# KiCad board key-ripper.kicad_pcb (continued)
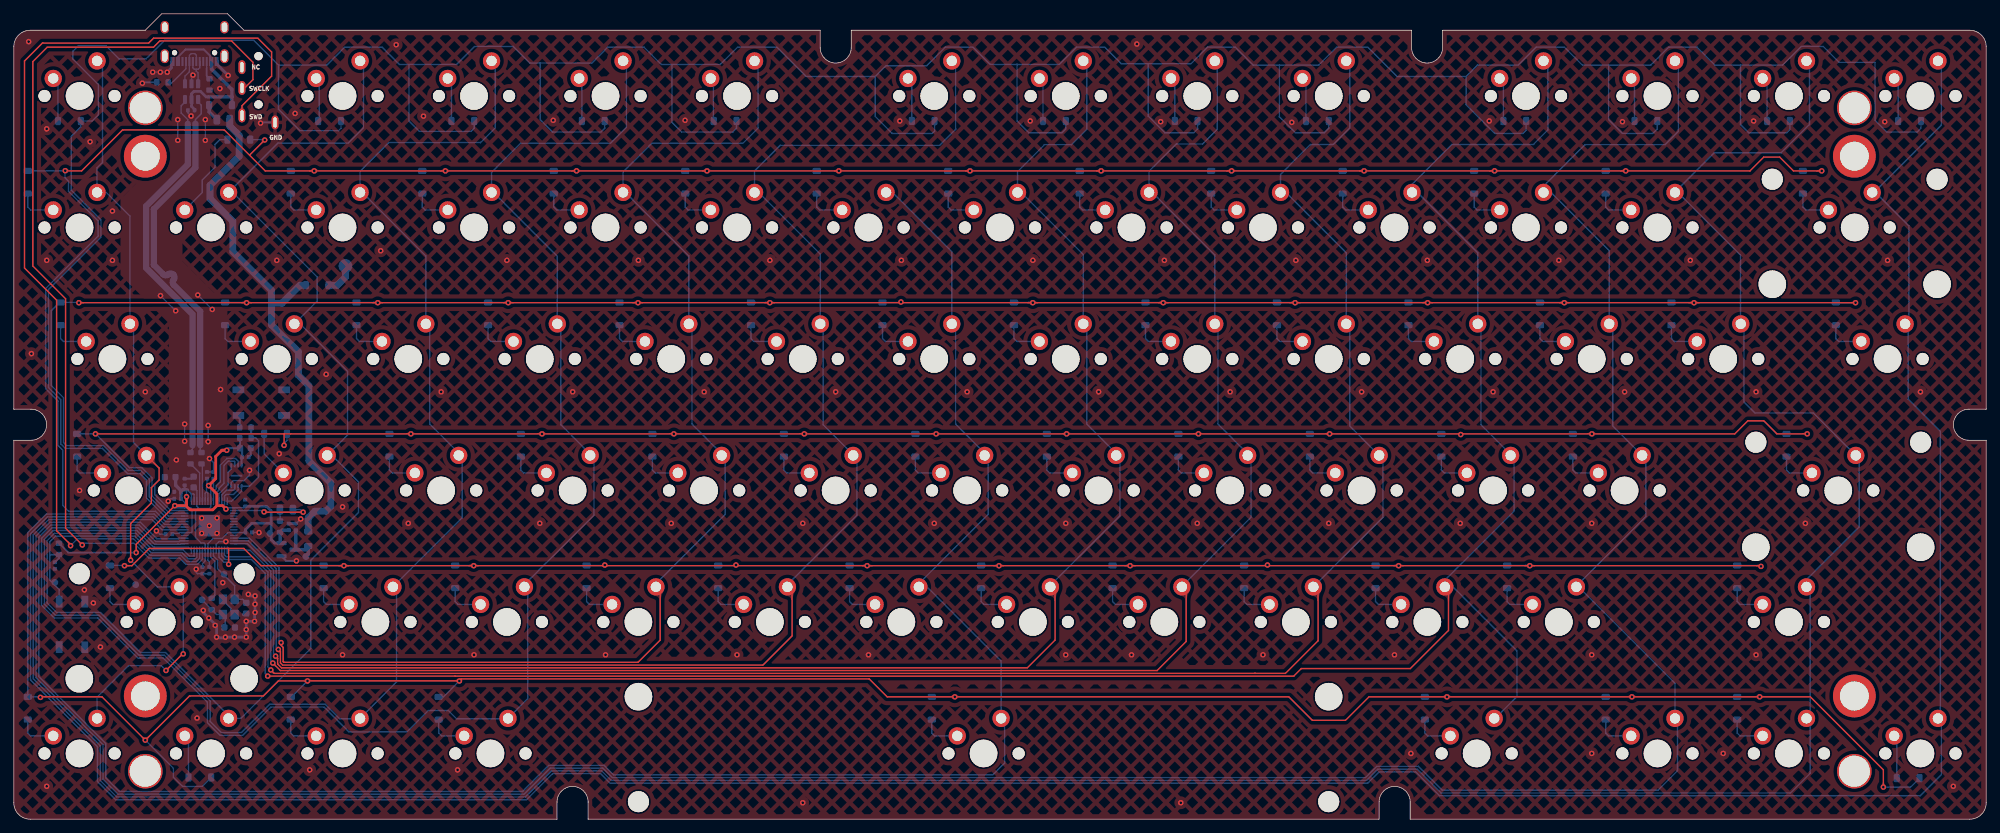
[diagram p0: board, top side]
## Nets (continued)
Net-(D42-A): D42.2 SW42.1
Net-(D43-A): D43.2 SW43.1
Net-(D44-A): D44.2 SW44.1
Net-(D45-A): D45.2 SW45.1
Net-(D46-A): D46.2 SW46.1
Net-(D47-A): D47.2 SW47.1
Net-(D48-A): D48.2 SW48.1
Net-(D49-A): D49.2 SW49.1
Net-(D50-A): D50.2 SW50.1
Net-(D51-A): D51.2 SW51.1
Net-(D52-A): D52.2 SW52.1
Net-(D53-A): D53.2 SW53.1
Net-(D54-A): D54.2 SW54.1
Net-(D55-A): D55.2 SW55.1
Net-(D56-A): D56.2 SW56.1
Net-(D57-A): D57.2 SW57.1
Net-(D58-A): D58.2 SW58.1
Net-(D59-A): D59.2 SW59.1
Net-(D60-A): D60.2 SW60.1
Net-(D61-A): D61.2 SW61.1
Net-(D62-A): D62.2 SW62.1
Net-(D63-A): D63.2 SW63.1
Net-(D64-A): D64.2 SW64.1
Net-(D65-A): D65.2 SW65.1
Net-(D66-A): D66.2 SW66.1
Net-(D67-A): D67.2 SW67.1
Net-(D68-A): D68.2 SW68.1
Net-(D69-A): D69.2 SW69.1
Net-(D70-A): D70.2 SW70.1
Net-(D71-A): D71.2 SW71.1
Net-(D72-A): D72.2 SW72.1
Net-(D73-A): D73.2 SW73.1
Net-(D74-A): D74.2 SW74.1
Net-(D75-A): D75.2 SW75.1
Net-(D76-K): D76.1 F1.1
Net-(D77-A): D77.2 R9.2
Net-(D78-A): D78.2 TP13.1
Net-(D78-K): D78.1 F1.2 FB1.1
Net-(U5-C): R5.2 U5.3 U5.4

Pads without a net: H5 1; H6 1; H7 1; H8 1; H9 1; H10 1; H11 1; H12 1; U1 3 4 5 6 7 8 9 11 32; U2 0 A8 B8; U4 9; U7 2

## Via types
v1: diameter 0.8, hole 0.4, Top to Bottom, 220 vias

## Routing (per net, layer and track width the routed paths; a pad name or vN(x,y) marks a point on that pad's centre or on a via; arc(x,y) is an arc through that point)
+1V1: length 19.2
  Bottom w0.2: C17.1 27.32,37.02 27.73,37.43 U1.23 27.73,39.82 27.52,40.02 27.12,40.02 26.32,40.82 26.32,44.72 26.72,45.12 ; 26.72,45.12 26.82,45.02 28.32,45.02 28.53,45.23 U1.50 28.53,47.64 28.92,48.04 28.92,48.52 28.93,48.52 28.93,49.34 ; 26.72,45.12 26.53,45.32 U1.45 26.53,47.6 C2.1
+3V3: length 101.6
  Top w0.2: v1(17.72,38.62) 17.72,39.82 v1(23.32,45.42)
  Top w0.4: 24.93,45.42 25.03,45.52 v1(25.03,46.72) ; 24.93,45.42 v1(23.32,45.42) ; 24.93,45.42 25.53,44.82 28.82,44.82 29.43,45.42 ; 29.43,45.42 29.43,47.12 v1(28.22,48.32) 29.25,49.35 29.25,52.55 30.15,53.45 v1(30.85,53.45) ; 29.43,45.42 30.24,45.42 v1(30.74,44.93)
  Bottom w0.2: v1(23.32,45.42) 23.62,45.13 U1.42 ; 33.55,41.53 U1.10 31.03,41.53 30.18,40.68 28.88,40.68 28.13,39.93 U1.22 28.13,37.52 28.32,37.32 C11.1 ; 28,49.34 28,48.55 v1(28.22,48.32) 27.93,48.02 27.93,47.42 ; U1.49 28.13,47.22 27.93,47.42 ; U1.48 27.73,47.23 27.93,47.42 ; 25.72,47.12 25.73,47.12 U1.43 ; 25.72,47.12 26.03,47.12 26.13,47.02 U1.44 ; 25.72,47.12 25.12,47.72 25.03,47.62 v1(25.03,46.72) ; v1(30.74,44.93) 30.93,45.13 U1.1 33.33,45.13 C13.1 ; 24.21,46.42 24.77,45.86 U1.42 ; U1.42 25.62,45.13 25.82,44.92 25.82,41.62 25.73,41.53 U1.33 24.03,41.53 23.93,41.42 23.08,41.42 C10.1
  Bottom w0.25: v1(17.72,38.62) 7.9,38.62 R8.2
  Bottom w0.3: U4.8 33,52.38 C3.1 33.07,53.45 C19.1 ; C8.1 24.75,47.97 24.5,47.72 ; v1(30.85,53.45) 31.15,53.75 C19.1 ; R4.1 32.78,55.2 C19.1
  Bottom w0.4: 37.28,42.88 37.28,40.52 37.8,40 U3.2 ; 37.28,42.88 34.47,42.88 33.56,41.96 C12.1 ; 37.28,42.88 37.28,44.67 36.62,45.32 C13.1
  Bottom w0.5: 24.21,47.42 24.5,47.72 25.12,47.72 ; C1.1 23.45,49.52 23.45,48.36 24.21,47.61 24.21,46.42 ; U3.2 38.58,40.21 R9.1 38.89,41.87 C5.1
+5V: length 7
  Bottom w0.5: TP2.1 42.66,38.39 FB1.2 42.66,39.21 42.5,39.05 U3.3 40.85,39.24 C4.1
GND: length 74.6
  Bottom w0.2: v1(23.75,98.35) v1(23.75,101.35) ; v1(41.56,43.5) 40.89,42.83 C4.2 ; v1(25.95,107.8) 25.75,107.6 U8.2 ; v1(28.15,54.7) v1(28.15,57.05) ; C14.2 C16.2 28.93,51.67 v1(28.35,52.25) ; 32.05,29.6 Y1.2 31.45,30.2 31.45,30.55 30.3,31.7 Y1.4 ; v1(20.66,41.77) 21.14,41.29 C10.2 ; v1(24.75,54.75) v1(24.75,57.25) ; v1(22.37,46.07) 22.72,46.42 C15.2 ; v1(21.25,75.85) v1(23.45,73.65) ; v1(22.22,108.22) v1(21.22,108.22) v1(20.12,108.22) ; v1(30.72,40.22) 29.73,40.22 29.32,39.82 U1.19 ; v1(34.15,50.55) 34.15,49.85 33.35,49.05 31.8,49.05 31.5,48.75 U4.4 ; v1(25.68,101.88) 25.22,102.34 C20.2 ; v1(35.53,41.52) 35.5,41.54 34.53,41.54 ; v1(27.75,98.35) v1(27.75,101.35) ; 28.32,35.56 26.58,35.56 26.43,35.72 v1(26.43,36.22) ; v1(26.65,75.95) v1(28.75,73.85)
  Bottom w0.25: v1(18.62,106.62) 18.75,106.75 R7.2 ; v1(35.75,100.85) 35.85,100.95 U7.5
  Bottom w0.3: C2.2 25.75,49.33 C8.2 ; v1(40.95,37.42) 39.46,37.42 U3.1 ; C19.2 34.33,52.74 C3.2
  Bottom w0.4: U2.A12 29.54,109.26 v1(31.05,107.75) ; 33.35,29.75 33.25,29.65 33.9,29.65 ; v1(27.45,30.25) 27.45,29.95 v1(28.25,29.15) 29.18,28.22 v1(29.18,28.07) 29.37,27.88 v1(29.37,26.38) 29.68,26.38 29.78,26.27 30.55,26.27 v1(30.65,26.38) v1(31.97,26.38) v1(33.67,26.38) v1(33.67,27.47) v1(33.67,28.67) v1(34.88,28.67) 34.88,29.88 v1(34.95,29.95) v1(34.95,31.15) v1(34.95,32.35) 34.2,32.35 v1(33.97,32.57) ; C5.2 C4.2 ; C6.2 33.53,29.65 ; v1(22.22,108.22) 22.84,108.84 U2.A1
  vias: v1(2.15,112.65) v1(2.55,67.45) v1(4.76,100.01) v1(4.76,80.96) v1(4.76,4.76) v1(9.52,47.62) v1(10.22,33.22) v1(11.05,98.15) v1(11.52,31.32) v1(12.55,24.95) v1(14.29,88.11) v1(14.29,80.96) v1(19.05,61.91) v1(23.55,52.05) v1(26.55,14.65) v1(27.22,43.62) v1(27.22,41.42) v1(28.32,42.52) v1(29.43,43.62) v1(29.43,41.42) v1(29.85,105.85) v1(29.95,62.25) v1(30.28,34.27) v1(38.1,80.96) v1(38.45,52.95) v1(40.75,102.25) v1(42.86,7.14) v1(45.25,64.45) v1(47.62,45.24) v1(47.62,23.81) v1(53.15,82.35) v1(55.4,112.2) v1(57.15,42.86) v1(59.35,101.85) v1(61.91,61.91) v1(64.29,7.14) v1(66.67,23.81) v1(71.44,80.96) v1(76.2,42.86) v1(78.15,101.25) v1(80.96,61.91) v1(85.73,23.81) v1(90.49,80.96) v1(95.25,42.86) v1(97.25,101.25) v1(100.01,61.91) v1(104.78,23.81) v1(109.54,80.96) v1(114.3,42.86) v1(114.3,2.38) v1(119.06,61.91) v1(123.83,23.81) v1(128.35,101.15) v1(128.59,80.96) v1(133.35,42.86) v1(138.11,61.91) v1(147.25,101.15) v1(147.64,80.96) v1(152.4,42.86) v1(152.4,23.81) v1(157.16,61.91) v1(161.92,23.81) v1(162.7,112.3) v1(166.15,101.05) v1(166.69,80.96) v1(169.07,2.38) v1(171.45,42.86) v1(176.21,61.91) v1(180.97,23.81) v1(185.15,100.95) v1(185.74,80.96) v1(190.5,42.86) v1(195.26,61.91) v1(200.02,23.81) v1(202.41,9.52) v1(204.79,80.96) v1(209.55,42.86) v1(213.75,101.15) v1(214.31,61.91) v1(223.84,80.96) v1(228.6,42.86) v1(228.6,23.81) v1(228.6,9.52) v1(233.05,101.05) v1(233.36,61.91) v1(242.89,80.96) v1(247.65,9.52) v1(252.05,101.15) v1(252.41,61.91) v1(252.41,23.81) v1(259.56,42.86) v1(271.05,101.05) v1(271.46,80.96) v1(276.22,61.91) v1(280.99,4.76)
VBUS: length 23.5
  Bottom w0.3: U2.A4 23.64,110.27 24.89,111.52 27.51,111.52 28.44,110.59 U2.B4
  Bottom w0.4: 28.15,104.65 27.85,104.65 27.05,105.45 26.1,105.45 25.75,105.1 U8.5 25.75,103.25 26.18,102.82 C20.1
  Bottom w0.5: 28.15,104.65 31.6,104.65 ; 31.6,104.65 31.6,105.72 28.64,108.67 28.64,109.77 ; 31.6,104.65 D76.2
CC1: length 4.5
  Bottom w0.2: 22.82,106.62 24.94,108.74 U2.A5
  Bottom w0.25: 22.82,106.62 22.5,106.62 22.37,106.75
CC2: length 2.7
  Bottom w0.2: U2.B5 27.94,108.87
  Bottom w0.25: R6.1 27.94,107.68 27.94,108.87
CLM0: length 128.5
  Top w0.2: SW42.2 21.05,50.86 21.05,49.15 19.93,48.02 19.93,45.82 16.93,42.82 v1(16.93,37.52) ; v1(22.05,21.55) 24.45,23.95 v1(24.55,23.95)
  Bottom w0.2: v1(22.05,21.55) 21.35,22.25 16.65,22.25 12.06,17.66 SW67.2 ; v1(24.55,23.95) 24.55,33.08 SW55.2 20.79,33.66 v1(16.93,37.52) ; U1.41 22.72,44.73 20.43,47.02 20.43,48.52 21.05,49.15 21.05,50.86 SW42.2 17.35,54.56 17.35,71.23 SW28.2 16.82,71.76 16.82,87.38 13.39,90.8 SW14.2 12.05,90.82 12.05,94.35 12.85,95.15 12.85,109.07 12.06,109.85
CLM1: length 199
  Bottom w0.2: 50.17,109.85 50.65,109.37 50.65,100.15 48.45,97.95 38.26,97.95 SW15.2 31.69,90.8 43.95,78.55 43.95,75.06 SW29.2 41.5,71.75 48.35,64.9 48.35,55.65 SW43.2 46.09,52.7 49.92,48.88 49.92,44.42 43.03,37.52 43.03,24.72 32.91,14.6 SW68.2 31.11,15.02 21.97,24.16 18.34,24.16 12.55,29.95 6.2,29.95 4.82,31.33 4.82,40.37 5.87,41.41 17.68,41.41 20.06,39.03 20.26,39.03 24.52,39.03 25.43,38.12 26.12,38.12 26.13,38.13 U1.27
CLM2: length 214.4
  Bottom w0.2: 18.15,23.75 18.16,23.76 21.81,23.76 28.45,17.12 28.45,14.15 30.05,12.55 32.98,12.55 37.08,16.65 45.12,16.65 47.22,14.55 50.11,14.55 SW69.2 55.45,19.89 55.45,33.13 SW56.2 64.95,43.68 64.95,52.21 SW44.2 64.45,53.05 60.25,57.25 60.25,71.19 SW30.2 59.69,81.61 50.5,90.8 SW16.2 50.17,93.86 54.33,98.02 67.62,98.02 69.75,100.15 69.75,109.32 69.22,109.85 ; 18.13,23.76 12.34,29.55 6.04,29.55 4.42,31.16 4.42,40.53 5.7,41.81 17.84,41.81 19.76,39.89 20.23,39.43 20.43,39.43 20.43,39.43 25.27,39.43 U1.28
CLM3: length 237.2
  Bottom w0.2: U1.29 24.26,39.92 24.16,39.83 23.83,39.83 23.72,39.83 20.59,39.82 20.39,39.83 18.01,42.21 5.54,42.21 4.02,40.7 4.02,31 5.87,29.15 12.18,29.15 17.98,23.35 18.32,23.35 18.32,23.36 21.64,23.36 28.05,16.95 28.05,13.98 29.88,12.15 33.15,12.15 37.25,16.25 44.95,16.25 48.55,12.65 56.95,12.65 60.05,15.75 62.95,15.75 64.15,14.55 71.54,14.55 SW70.2 74.45,17.46 74.45,33.18 SW57.2 73.98,33.98 84.05,44.05 84.05,52.16 SW45.2 83.5,52.9 79.25,57.15 79.25,71.25 SW31.2 78.74,81.56 69.5,90.8 SW17.2 69.22,93.72 73.42,97.92 86.42,97.92 88.75,100.25 88.75,109.37 88.27,109.85
CLM4: length 188.9
  Top w0.2: v1(38.72,25.59) 38.72,25.18 39.02,24.88 39.02,22.83 39.12,22.73 90.43,22.73 93.65,25.95 93.65,33.03 SW58.2
  Bottom w0.2: 107.31,109.85 107.82,109.35 107.82,100.12 105.62,97.92 92.42,97.92 88.27,93.76 SW18.2 88.59,90.8 97.79,81.61 SW32.2 98.25,71.29 98.25,57.25 102.55,52.95 SW46.2 103.05,52.21 103.05,44.15 93.03,34.13 SW58.2 ; U1.12 34.15,40.73 38.42,36.45 38.42,36.05 38.42,36.05 38.42,35.72 38.42,35.72 38.42,25.88 v1(38.72,25.59)
CLM5: length 217.8
  Top w0.2: SW59.2 112.75,32.98 112.75,26.55 108.53,22.33 38.95,22.33 38.62,22.66 38.62,24.29 v1(38.32,24.59)
  Bottom w0.2: 135.89,109.85 136.45,109.29 136.45,99.95 134.12,97.62 111.02,97.62 107.31,93.91 107.31,90.8 107.89,90.8 116.84,81.86 SW33.2 117.25,71.34 117.25,57.15 121.6,52.8 SW47.2 122.15,52.16 122.15,44.05 112.08,33.98 SW59.2 ; v1(38.32,24.59) 38.02,24.89 38.02,35.89 38.02,35.99 38.02,36.29 33.98,40.32 U1.13
CLM6: length 295
  Bottom w0.2: U1.30 24.09,40.32 23.99,40.23 20.56,40.23 18.17,42.61 5.37,42.61 3.62,40.86 3.62,20.67 13.32,10.97 13.32,5.98 15.28,4.02 73.72,4.02 77.5,7.8 85.5,7.8 86.88,6.42 141.82,6.42 143.55,8.15 143.55,14.09 SW71.2 143.03,22.92 132.29,33.66 SW60.2 131.13,34.13 141.15,44.15 141.15,52.21 SW48.2 140.65,53.03 136.45,57.23 136.45,71.19 SW34.2 135.89,82.21 127.3,90.8 SW20.2
CLM7: length 237.2
  Top w0.2: SW61.2 150.85,32.98 150.85,25.95 146.83,21.93 38.78,21.93 38.22,22.49 38.22,23.32 v1(37.92,23.62)
  Bottom w0.2: U1.14 33.82,39.92 37.62,36.12 37.62,35.72 37.62,35.72 37.62,23.92 v1(37.92,23.62) ; 154.94,109.85 155.45,109.34 155.45,99.95 153.22,97.72 149.32,97.72 145.41,93.81 SW21.2 145.94,90.8 154.94,81.81 SW35.2 155.45,71.25 155.45,57.25 159.7,53 SW49.2 160.25,52.16 160.25,43.95 150.18,33.88 SW61.2
CLM8: length 256.9
  Top w0.2: v1(37.52,22.62) 38.62,21.53 165.63,21.53 169.85,25.75 169.85,33.03 SW62.2
  Bottom w0.2: SW62.2 169.23,33.73 179.25,43.75 179.25,52.21 SW50.2 178.75,52.95 174.45,57.25 174.45,71.29 SW36.2 173.99,81.76 164.94,90.8 SW22.2 164.46,93.86 168.42,97.82 172.22,97.82 174.35,99.95 174.35,109.49 173.99,109.85 ; U1.15 34.21,38.97 37.22,35.96 37.22,35.42 37.22,35.42 37.22,22.92 v1(37.52,22.62)
CLM9: length 277.6
  Top w0.2: v1(37.22,21.62) 37.72,21.13 179.82,21.13 179.82,21.12 184.22,21.12 188.95,25.85 188.95,32.98 SW63.2
  Bottom w0.2: U1.16 30.53,38.29 30.79,38.02 34.59,38.02 36.82,35.79 36.82,35.39 36.82,22.03 v1(37.22,21.62) ; SW63.2 198.35,43.73 198.35,52.16 SW51.2 197.79,52.7 193.55,56.95 193.55,71.25 SW37.2 193.04,82.06 184.29,90.8 SW23.2 183.51,93.41 187.85,97.75 191.15,97.75 193.55,100.15 193.55,109.34 193.04,109.85
CLM10: length 331.3
  Top w0.2: SW64.2 207.85,33.13 207.85,27.35 202.32,21.82 186.52,21.82 185.42,20.72 63.92,20.72 63.92,20.73 v1(36.78,20.73)
  Bottom w0.2: SW72.2 214.6,14.6 217.77,17.77 217.77,24.38 208.49,33.66 SW64.2 207.33,34.63 217.35,44.65 217.35,52.21 SW52.2 216.85,52.85 212.55,57.15 212.55,71.29 SW38.2 212.09,82.06 203.34,90.8 202.56,90.8 202.56,91.97 208.35,97.75 220.15,97.75 222.25,99.85 222.25,109.22 221.61,109.85 ; U1.17 30.13,38.13 30.63,37.62 34.42,37.62 36.42,35.62 36.42,21.08 v1(36.78,20.73)
CLM11: length 432.2
  Bottom w0.2: U1.31 23.93,40.73 23.83,40.62 20.72,40.62 18.34,43.01 5.21,43.01 3.22,41.03 3.22,20.51 12.92,10.81 12.92,5.78 15.08,3.62 73.92,3.62 77.7,7.4 85.33,7.4 86.71,6.03 195.83,6.03 197.45,7.65 203.5,7.65 206.95,4.2 238.2,4.2 241.02,7.02 241.02,14.24 240.66,14.6 240.66,19.68 226.69,33.66 SW65.2 226.38,33.78 236.45,43.85 236.45,52.16 SW53.2 231.65,56.96 231.65,71.25 SW39.2 231.14,82.36 222.69,90.8 SW25.2 221.61,91.72 227.62,97.72 239.22,97.72 241.15,99.65 241.15,109.37 240.66,109.85
CLM12: length 454.5
  Bottom w0.2: 2.82,20.95 2.82,41.19 5.04,43.41 20.01,43.41 21.5,41.92 U1.34 ; 259.71,109.85 260.15,109.42 260.15,100.65 256.05,96.55 246.35,96.55 240.66,90.86 240.66,90.8 241.08,90.8 250.15,81.73 250.15,71.79 SW40.2 250.65,71.29 250.65,60.45 252.25,58.85 260.71,58.85 SW54.2 267.35,52.21 267.35,42.35 259.71,34.71 259.71,33.66 259.89,33.66 260.25,33.3 260.25,15.14 259.71,14.6 260.25,14.07 260.25,6.65 257.4,3.8 206.79,3.8 203.34,7.25 197.62,7.25 195.99,5.63 86.54,5.63 85.17,7 77.9,7 74.12,3.22 14.91,3.22 12.52,5.61 12.52,10.64 2.82,20.34 2.82,20.89
CLM13: length 450.7
  Bottom w0.2: U1.35 21.67,42.32 20.18,43.81 4.88,43.81 2.42,41.36 2.42,20.18 12.12,10.48 12.12,5.45 14.75,2.82 74.29,2.82 78.07,6.6 85,6.6 86.38,5.22 196.16,5.22 197.78,6.85 203.1,6.85 206.55,3.4 276.2,3.4 279.25,6.45 279.25,14.12 SW75.2 279.1,14.94 279.1,56.2 274.45,60.85 274.45,71.31 SW41.2 274.55,72.3 274.55,85.95 269.69,90.8 SW27.2 269.5,90.8 279.25,100.55 279.25,109.37 278.76,109.85
OSC_IN: length 5.6
  Bottom w0.2: TP3.1 28.68,30.38 R3.1 29.37,29.65 Y1.3 30.63,29.32 30.63,28.08
OSC_OUT: length 10.3
  Bottom w0.2: C6.1 33.17,31.85 Y1.1 32,33.82 29.52,36.3 29.52,37.53 28.92,38.13 U1.20
QSPI_SCLK: length 8
  Bottom w0.2: U4.6 32,51.81 31.94,51.87 31.06,51.87 30.45,51.26 30.45,48.65 29.72,47.92 29.72,47.7 29.32,47.31 U1.52
QSPI_SD0: length 5.9
  Bottom w0.2: U1.53 29.73,47.14 31.05,48.47 31.05,50.25 31.5,50.7 U4.5
QSPI_SD1: length 3.6
  Bottom w0.2: U4.2 32.5,47.7 31.85,47.05 30.76,47.05 30.53,46.81 U1.55
QSPI_SD2: length 3.6
  Bottom w0.2: U1.54 30.13,46.98 30.8,47.66 31.84,47.66 32,47.81 U4.3
QSPI_SD3: length 9.4
  Bottom w0.2: U4.7 32.5,51.87 32.11,52.27 30.9,52.27 29.91,51.28 29.91,48.88 29.32,48.29 29.32,47.87 28.92,47.47 U1.51
QSPI_SS: length 14.4
  Bottom w0.2: 34.38,55.25 35.05,55.25 35.45,54.85 35.45,49.56 34.14,48.25 U4.1 33,47.53 31.55,46.08 U1.56
  Bottom w0.3: 34.38,56.75 34.38,55.25
ROW0: length 594.2
  Bottom w0.2: 38.35,109.25 45.35,109.25 47.95,111.85 53.35,111.85 55.85,109.35 57.25,109.35 ; 38.35,109.25 38.35,102.85 41.45,99.75 47.05,99.75 47.4,100.1 D2.1 ; 38.35,109.25 34.75,112.85 21.85,112.85 19.15,110.15 15.25,110.15 13.35,112.05 9.35,112.05 8.55,111.25 8.55,110.15 12.25,106.45 12.25,102.05 11.35,101.15 D1.1 9.7,100.3 8.32,98.92 8.32,91.12 10.92,88.52 10.93,88.52 12.62,86.82 12.62,84.32 5.03,76.73 5.03,62.53 6.8,60.75 6.8,54.37 6.82,54.37 7.46,53.72 12.82,53.72 16.47,50.07 18.27,50.07 19.23,49.12 19.23,46.53 22.23,43.53 U1.38 ; 145.35,109.35 145.35,101.15 147.05,99.45 151.85,99.45 152.4,100 D7.1 ; 145.35,109.35 141.45,109.35 138.95,111.85 134.95,111.85 132.25,109.15 126.35,109.15 124.8,107.6 ; 145.35,109.35 151.45,109.35 153.95,111.85 158.05,111.85 160.45,109.45 164.35,109.45 ; 76.25,109.55 76.25,101.35 78.05,99.55 85.05,99.55 85.6,100.1 D4.1 ; 76.25,109.55 74.75,109.55 72.35,111.95 66.75,111.95 64.15,109.35 57.25,109.35 ; 76.25,109.55 83.75,109.55 86.05,111.85 91.3,111.85 93.8,109.35 95.35,109.35 ; 164.35,109.45 164.35,101.85 166.75,99.45 170.95,99.45 171.5,100 D8.1 ; 164.35,109.45 170.55,109.45 172.95,111.85 176.95,111.85 179.55,109.25 183.35,109.25 ; D10.1 219.1,99.8 218.65,99.35 214.56,99.35 210.4,103.51 210.4,107.6 ; 124.8,107.6 124.8,101.8 127.25,99.35 133.05,99.35 133.4,99.7 D6.1 ; 124.8,107.6 114.8,107.6 110.55,111.85 104.85,111.85 102.35,109.35 95.35,109.35 ; 231.05,109.25 231.05,101.35 233.05,99.35 237.45,99.35 238.1,100 D11.1 ; 231.05,109.25 237.15,109.25 239.75,111.85 243.85,111.85 246.45,109.25 250.15,109.25 ; 231.05,109.25 227.25,109.25 224.65,111.85 220.55,111.85 217.95,109.25 212.05,109.25 210.4,107.6 ; D3.1 66.7,100.1 66.25,99.65 58.75,99.65 57.25,101.15 57.25,109.35 ; 250.15,109.25 250.15,100.65 251.35,99.45 256.85,99.45 257.3,99.9 D12.1 ; 250.15,109.25 256.25,109.25 258.95,111.95 262.15,111.95 264.45,109.65 269.65,109.65 269.65,101.25 271.35,99.55 275.75,99.55 276.3,100.1 D13.1 ; 210.4,107.6 200.4,107.6 196.15,111.85 191.65,111.85 189.05,109.25 183.35,109.25 ; D5.1 104.7,100.1 104.15,99.55 96.75,99.55 95.35,100.95 95.35,109.35 ; 183.35,109.25 183.35,101.76 185.66,99.45 189.85,99.45 190.5,100.1 D9.1
ROW1: length 382.3
  Top w0.2: v1(261.93,93.92) 257.82,93.92 255.82,95.92 253.52,95.92 251.52,93.92 v1(233.52,93.92) v1(214.52,93.92) v1(195.62,93.92) v1(176.42,93.92) v1(157.52,93.92) v1(138.52,93.92) v1(119.52,93.92) v1(100.42,93.92) v1(81.53,93.92) v1(62.53,93.92) v1(43.53,93.92) 36.42,93.92 34.17,96.17 ; 34.17,96.17 30.5,99.85 15.75,99.85 9.82,93.92 7.47,93.92 v1(7.45,93.95) ; 34.17,96.17 34.17,96.22 v1(36.35,98.4)
  Bottom w0.2: 211.57,93.92 v1(214.52,93.92) ; 59.17,93.92 v1(62.53,93.92) ; 7.43,93.92 7.43,92.92 7.93,92.42 7.93,90.96 12.23,86.66 12.23,84.49 4.63,76.89 4.63,62.36 6.4,60.59 6.4,54.15 7.1,53.45 7.1,45.45 7.94,44.61 20.51,44.61 21.99,43.13 U1.37 ; 7.43,93.92 2.02,93.92 ; 7.43,93.92 v1(7.45,93.95) ; 192.52,93.92 v1(195.62,93.92) ; 78.23,93.92 v1(81.53,93.92) ; v1(100.42,93.92) 97.28,93.92 ; 135.38,93.92 v1(138.52,93.92) ; v1(233.52,93.92) 230.62,93.92 ; v1(36.35,98.4) 36.3,98.45 D15.1 ; v1(261.93,93.92) 259.2,93.92 ; v1(43.53,93.92) 40.12,93.92 ; 154.42,93.92 v1(157.52,93.92) ; 116.33,93.92 v1(119.52,93.92) ; 173.47,93.92 v1(176.42,93.92)
ROW2: length 343.1
  Top w0.2: v1(9.43,74.82) v1(33.72,74.82) v1(52.73,74.82) v1(71.62,74.82) v1(90.42,74.82) v1(109.52,74.82) v1(147.62,74.82) v1(166.52,74.82) v1(185.62,74.82) v1(204.82,74.82) v1(224.62,74.82) v1(243.43,74.82) v1(266.82,74.82)
  Bottom w0.2: v1(9.43,74.82) 9.38,74.88 D28.1 6.64,74.88 5.43,73.66 5.43,62.82 7.2,61.05 7.2,54.55 7.62,54.12 12.99,54.12 16.59,50.52 18.39,50.52 19.63,49.29 19.63,46.69 22.4,43.92 U1.39 ; v1(90.42,74.82) 90.38,74.88 D32.1 ; D41.1 264.01,74.82 v1(266.82,74.82) ; D30.1 52.67,74.88 v1(52.73,74.82) ; v1(224.62,74.82) 224.57,74.88 D39.1 ; D36.1 166.47,74.88 v1(166.52,74.82) ; v1(243.43,74.82) 243.38,74.88 D40.1 ; v1(71.62,74.82) 71.58,74.88 D31.1 ; v1(185.62,74.82) 185.57,74.88 D37.1 ; v1(33.72,74.82) 33.67,74.88 D29.1 ; v1(128.52,74.92) 128.47,74.88 D34.1 ; D35.1 147.57,74.88 v1(147.62,74.82) ; v1(109.52,74.82) 109.48,74.88 D33.1 ; D38.1 204.77,74.88 v1(204.82,74.82)
ROW3: length 307.5
  Top w0.2: v1(11.82,55.82) 39.17,55.82 ; 39.17,55.82 v1(57.53,55.82) v1(76.53,55.82) v1(95.62,55.82) v1(114.52,55.82) v1(133.62,55.82) v1(152.52,55.82) v1(171.62,55.82) v1(190.62,55.82) v1(228.62,55.82) 249.32,55.82 251.22,57.72 253.52,57.72 255.43,55.82 v1(259.82,55.82) ; 39.17,55.82 39.16,55.81 v1(39.16,54.16)
  Bottom w0.2: v1(259.82,55.82) D54.1 ; v1(39.16,54.16) 39.16,54.46 39.58,54.88 D43.1 ; D50.1 v1(171.62,55.82) ; D52.1 209.52,55.82 v1(209.62,55.72) ; D42.1 v1(11.82,55.82) 11.85,55.82 16.76,50.92 18.56,50.92 20.03,49.45 20.03,46.86 22.56,44.32 U1.40 ; D45.1 v1(76.53,55.82) ; D48.1 v1(133.62,55.82) ; D49.1 v1(152.52,55.82) ; D53.1 v1(228.62,55.82) ; D47.1 v1(114.52,55.82) ; D51.1 v1(190.62,55.82) ; D46.1 v1(95.62,55.82) ; D44.1 v1(57.53,55.82)
ROW4: length 278.7
  Top w0.2: 31.12,39.22 19.61,39.22 17.11,36.72 v1(16.03,36.72) ; 31.12,39.22 v1(31.12,36.93) ; 31.12,39.22 33.33,39.22 35.83,36.72 v1(47.83,36.72) v1(66.62,36.72) v1(123.63,36.72) v1(142.72,36.72) v1(161.72,36.72) v1(200.62,36.72) v1(219.62,36.72) 253.02,36.72 v1(253.12,36.62)
  Bottom w0.2: v1(66.62,36.72) 66.58,36.77 63.94,36.77 ; 102.04,36.77 104.58,36.77 v1(104.62,36.82) ; 140.14,36.77 142.67,36.77 v1(142.72,36.72) ; v1(181.62,36.82) 181.57,36.77 178.24,36.77 ; 121.09,36.77 123.58,36.77 v1(123.63,36.72) ; v1(31.12,36.93) 30.83,37.22 30.43,37.22 29.73,37.92 U1.18 ; v1(253.12,36.62) 252.97,36.77 249.68,36.77 ; 44.89,36.77 47.78,36.77 v1(47.83,36.72) ; 216.34,36.77 219.57,36.77 v1(219.62,36.72) ; 159.19,36.77 161.67,36.77 v1(161.72,36.72) ; 13.93,36.77 15.97,36.77 v1(16.03,36.72) ; 197.29,36.77 200.57,36.77 v1(200.62,36.72) ; 82.99,36.77 85.58,36.77 v1(85.62,36.82)
ROW5: length 374.5
  Top w0.2: v1(3.85,17.65) 3.93,17.72 12.77,17.72 v1(19.05,11.45) 25.45,17.85 36.15,17.85 38.33,20.03 v1(42.55,20.03) 42.57,20.05 64.53,20.05 v1(64.55,20.03) 64.85,20.32 123.92,20.32 126.52,17.72 v1(136.32,17.72) 184.72,17.72 188.12,14.32 192.93,14.32 196.33,17.72 v1(207.62,17.72) v1(234.42,17.72) v1(252.93,17.72) 260.27,17.72 270.85,7.15 v1(270.85,4.65)
  Bottom w0.2: D71.1 v1(136.32,17.72) ; v1(42.55,20.03) 40.24,17.72 D69.1 ; U1.36 21.83,42.73 20.34,44.21 4.71,44.21 2.02,41.52 D67.1 3.77,17.72 v1(3.85,17.65) ; v1(270.85,4.65) 274.8,4.65 D75.1 ; D70.1 62.25,17.72 v1(64.55,20.03) ; D72.1 v1(207.62,17.72) ; D73.1 v1(234.42,17.72) ; D74.1 v1(252.93,17.72) ; D68.1 27.3,4.75 24.45,4.75 23.11,6.09 23.11,7.39 v1(19.05,11.45)
RUN: length 36
  Bottom w0.2: U1.26 26.53,37.96 26.29,37.73 25.26,37.73 24.36,38.63 20.1,38.63 20.1,38.63 19.9,38.63 17.51,41.01 6.03,41.01 5.22,40.2 5.22,34.63 6.57,33.28 U6.4
  Bottom w0.25: C18.1 6.55,37.83 R8.1 5.27,38.32 5.26,38.32 5.25,38.32
SWCLK: length 132.4
  Top w0.2: U7.3 33.45,105.95 34.65,107.15 34.65,109.65 31.55,112.75 21.15,112.75 20.24,111.84 4.84,111.84 2.75,109.75 2.75,80.15 7.5,75.4 7.5,42.15 v1(9.93,39.72)
  Bottom w0.2: v1(9.93,39.72) 10.17,39.97 17.43,39.97 19.57,37.83 24.03,37.83 24.72,37.13 24.72,37.12 24.93,36.92 26.62,36.92 27.32,37.63 U1.24
SWD: length 143.8
  Top w0.2: U7.4 33.05,103.35 37.35,107.65 37.35,111.15 35.35,113.15 20.25,113.15 19.55,112.45 4.15,112.45 1.55,109.85 1.55,79.85 6.2,75.2 6.2,41.8 8.22,39.77 v1(8.22,39.62)
  Bottom w0.2: U1.25 26.92,37.8 26.46,37.33 25.09,37.33 24.19,38.23 19.93,38.23 19.93,38.23 19.73,38.23 17.35,40.61 9.21,40.61 v1(8.22,39.62)
USB+: length 63
  Bottom w0.2: R1.2 27.2,53.35 27,53.55 27,54.17 ; 26.43,108.66 26.73,108.66 26.94,108.87 U2.B6 ; 26.43,108.66 26.16,108.66 25.94,108.87 U2.A6 ; 26.43,108.66 26.43,108.38 26.7,108.1 26.7,106.94 ; U8.4 26.7,103.9 27.15,103.45 27.15,102.19 26.31,101.35 26.31,100.76
  Bottom w0.9: 27,54.17 27,73.59 23.14,77.44 arc(23,77.8) 23.14,78.15 arc(23.29,78.5) 23.14,78.86 23.07,78.93 arc(22.72,79.08) 22.37,78.93 arc(22.01,78.78) 21.66,78.93 20.28,80.31 20.28,88.38 26.31,94.41 26.31,100.76
USB-: length 63.3
  Bottom w0.2: 24.8,106.94 24.8,107.65 25.44,108.29 U2.B7 25.44,110.67 25.69,110.92 26.21,110.92 26.44,110.69 U2.A7 ; R2.2 25.6,53.35 25.9,53.65 25.9,54.17 ; 25.21,100.76 25.21,101.34 24.25,102.3 24.25,103.35 24.8,103.9 U8.6
  Bottom w0.9: 25.21,100.76 25.21,94.86 19.18,88.84 19.18,79.85 25.9,73.13 25.9,54.17
USB_MCU+: length 5.5
  Bottom w0.2: R1.1 27.33,51.35 27.33,46.02
USB_MCU-: length 5.9
  Bottom w0.2: R2.1 26.92,50.15 U1.46
USER_LED: length 11.8
  Top w0.2: v1(41.92,44.48) 36.3,44.48 v1(36.25,44.53)
  Bottom w0.2: U1.2 36.05,44.73 v1(36.25,44.53) ; v1(41.92,44.48) 41.55,44.85 D77.1
XOUT_MCU: length 7.3
  Bottom w0.2: 28.53,38.82 28.53,37.96 29.12,37.36 29.12,32.45 R3.2
Net-(D1-A): length 6.4
  Bottom w0.2: D1.2 6.4,106.63
  Bottom w0.25: 6.4,106.63 SW1.1
Net-(D2-A): length 6.4
  Bottom w0.2: D2.2 44.25,101.3 44.25,106.88 SW2.1
Net-(D3-A): length 6.4
  Bottom w0.2: 62.87,107.31 63.4,106.78 D3.2
Net-(D4-A): length 6.3
  Bottom w0.2: SW4.1 82.3,106.93 D4.2
Net-(D5-A): length 6.3
  Bottom w0.2: D5.2 101.35,101.2 101.35,106.93 SW5.1
Net-(D6-A): length 6.4
  Bottom w0.2: SW6.1 130.1,106.75 D6.2
Net-(D7-A): length 6.4
  Bottom w0.2: D7.2 149.1,106.8 SW7.1
Net-(D8-A): length 6.4
  Bottom w0.2: D8.2 168.2,106.75 SW8.1
Net-(D9-A): length 6.4
  Bottom w0.2: D9.2 187.2,106.8 SW9.1
Net-(D10-A): length 6.4
  Bottom w0.2: SW10.1 215.8,106.78 D10.2
Net-(D11-A): length 6.4
  Bottom w0.2: SW11.1 234.8,106.83 D11.2
Net-(D12-A): length 6.4
  Bottom w0.2: SW12.1 254,106.68 D12.2
Net-(D13-A): length 6.4
  Bottom w0.2: SW13.1 273,106.73 D13.2
Net-(D14-A): length 5.8
  Bottom w0.2: D14.2 2.02,88.68 2.44,88.26 SW14.1
Net-(D15-A): length 13.4
  Bottom w0.2: D15.2 29.85,98.45 29.15,97.75 29.15,94.45 27.3,92.6 27.3,90.8 SW15.1
Net-(D16-A): length 5.8
  Bottom w0.2: SW16.1 40.54,88.26 40.12,88.68 D16.2
Net-(D17-A): length 5.8
  Bottom w0.2: D17.2 59.17,88.68 59.59,88.26 62.87,88.26
Net-(D18-A): length 5.8
  Bottom w0.2: SW18.1 78.64,88.26 78.23,88.68 D18.2
Net-(D19-A): length 5.8
  Bottom w0.2: D19.2 97.28,88.68 97.69,88.26 SW19.1
Net-(D20-A): length 5.8
  Bottom w0.2: D20.2 116.33,88.68 116.74,88.26 SW20.1
Net-(D21-A): length 5.8
  Bottom w0.2: SW21.1 135.79,88.26 135.38,88.68 D21.2
Net-(D22-A): length 5.8
  Bottom w0.2: SW22.1 154.84,88.26 154.42,88.68 D22.2
Net-(D23-A): length 5.8
  Bottom w0.2: D23.2 173.47,88.68 173.89,88.26 SW23.1
Net-(D24-A): length 5.8
  Bottom w0.2: SW24.1 192.94,88.26 192.52,88.68 D24.2
Net-(D25-A): length 5.8
  Bottom w0.2: SW25.1 211.99,88.26 211.57,88.68 D25.2
Net-(D26-A): length 5.8
  Bottom w0.2: D26.2 230.62,88.68 231.04,88.26 SW26.1
Net-(D27-A): length 5.8
  Bottom w0.2: SW27.1 259.62,88.26 259.2,88.68 D27.2
Net-(D28-A): length 5.8
  Bottom w0.2: D28.2 6.79,69.63 7.2,69.21 10.48,69.21
Net-(D29-A): length 5.8
  Bottom w0.2: 34.29,69.21 31.01,69.21 30.6,69.63 D29.2
Net-(D30-A): length 5.8
  Bottom w0.2: 53.34,69.21 50.06,69.21 49.65,69.63 D30.2
Net-(D31-A): length 5.8
  Bottom w0.2: D31.2 68.7,69.63 69.12,69.21 72.39,69.21
Net-(D32-A): length 5.8
  Bottom w0.2: 91.44,69.21 88.17,69.21 87.75,69.63 D32.2
Net-(D33-A): length 5.8
  Bottom w0.2: D33.2 106.8,69.63 107.22,69.21 110.49,69.21
Net-(D34-A): length 5.8
  Bottom w0.2: D34.2 125.85,69.63 126.27,69.21 129.54,69.21
Net-(D35-A): length 5.8
  Bottom w0.2: 148.59,69.21 145.31,69.21 144.9,69.63 D35.2
Net-(D36-A): length 5.8
  Bottom w0.2: D36.2 163.95,69.63 164.36,69.21 167.64,69.21
Net-(D37-A): length 5.8
  Bottom w0.2: D37.2 183,69.63 183.41,69.21 186.69,69.21
Net-(D38-A): length 5.8
  Bottom w0.2: D38.2 202.05,69.63 202.46,69.21 205.74,69.21
Net-(D39-A): length 5.8
  Bottom w0.2: 224.79,69.21 221.51,69.21 221.1,69.63 D39.2
Net-(D40-A): length 5.8
  Bottom w0.2: 243.84,69.21 240.56,69.21 240.15,69.63 D40.2
Net-(D41-A): length 5.8
  Bottom w0.2: 267.65,69.21 264.38,69.21 263.96,69.63 D41.2
Net-(D42-A): length 5.8
  Bottom w0.2: SW42.1 9.58,50.16 9.17,50.58 D42.2
Net-(D43-A): length 6.8
  Bottom w0.2: SW43.1 39.03,50.16 36.28,52.92 D43.2
Net-(D44-A): length 5.8
  Bottom w0.2: SW44.1 54.83,50.16 54.41,50.58 D44.2
Net-(D45-A): length 5.8
  Bottom w0.2: SW45.1 73.88,50.16 73.46,50.58 D45.2
Net-(D46-A): length 5.8
  Bottom w0.2: SW46.1 92.93,50.16 92.51,50.58 D46.2
Net-(D47-A): length 5.8
  Bottom w0.2: SW47.1 111.98,50.16 111.56,50.58 D47.2
Net-(D48-A): length 5.8
  Bottom w0.2: D48.2 130.61,50.58 131.03,50.16 SW48.1
Net-(D49-A): length 5.8
  Bottom w0.2: SW49.1 150.08,50.16 149.66,50.58 D49.2
Net-(D50-A): length 5.8
  Bottom w0.2: D50.2 168.71,50.58 169.13,50.16 SW50.1
Net-(D51-A): length 5.8
  Bottom w0.2: D51.2 187.76,50.58 188.18,50.16 SW51.1
Net-(D52-A): length 5.8
  Bottom w0.2: D52.2 206.81,50.58 207.23,50.16 SW52.1
Net-(D53-A): length 5.8
  Bottom w0.2: SW53.1 226.28,50.16 225.86,50.58 D53.2
Net-(D54-A): length 5.8
  Bottom w0.2: D54.2 256.82,50.58 257.23,50.16 SW54.1
Net-(D55-A): length 5.8
  Bottom w0.2: D55.2 13.93,31.53 14.35,31.11 SW55.1
Net-(D56-A): length 5.8
  Bottom w0.2: SW56.1 45.3,31.11 44.89,31.53 D56.2
Net-(D57-A): length 5.8
  Bottom w0.2: D57.2 63.94,31.53 64.35,31.11 SW57.1
Net-(D58-A): length 5.8
  Bottom w0.2: D58.2 82.99,31.53 83.4,31.11 SW58.1
Net-(D59-A): length 5.8
  Bottom w0.2: SW59.1 102.45,31.11 102.04,31.53 D59.2
Net-(D60-A): length 5.8
  Bottom w0.2: SW60.1 121.5,31.11 121.09,31.53 D60.2
Net-(D61-A): length 5.8
  Bottom w0.2: D61.2 140.14,31.53 140.55,31.11 SW61.1
Net-(D62-A): length 5.8
  Bottom w0.2: D62.2 159.19,31.53 159.6,31.11 SW62.1
Net-(D63-A): length 5.8
  Bottom w0.2: D63.2 178.24,31.53 178.65,31.11 SW63.1
Net-(D64-A): length 5.8
  Bottom w0.2: SW64.1 197.7,31.11 197.29,31.53 D64.2
Net-(D65-A): length 5.8
  Bottom w0.2: D65.2 216.34,31.53 216.75,31.11 SW65.1
Net-(D66-A): length 5.8
  Bottom w0.2: D66.2 249.68,31.53 250.09,31.11 SW66.1
